# Altium PCB Ixora.PcbDoc (part 2 of 13)
Units mm, origin at the board's own origin, x right, y up, seen from the top; angles counter-clockwise.
Board outline 125 x 90 mm, 6 copper layers (Top Layer, GND, Mid-Layer 1, Mid-Layer 2, POWER, Bottom Layer), stack 1.561 mm thick; 454 components, 512 nets, 2071 pads, 863 vias.
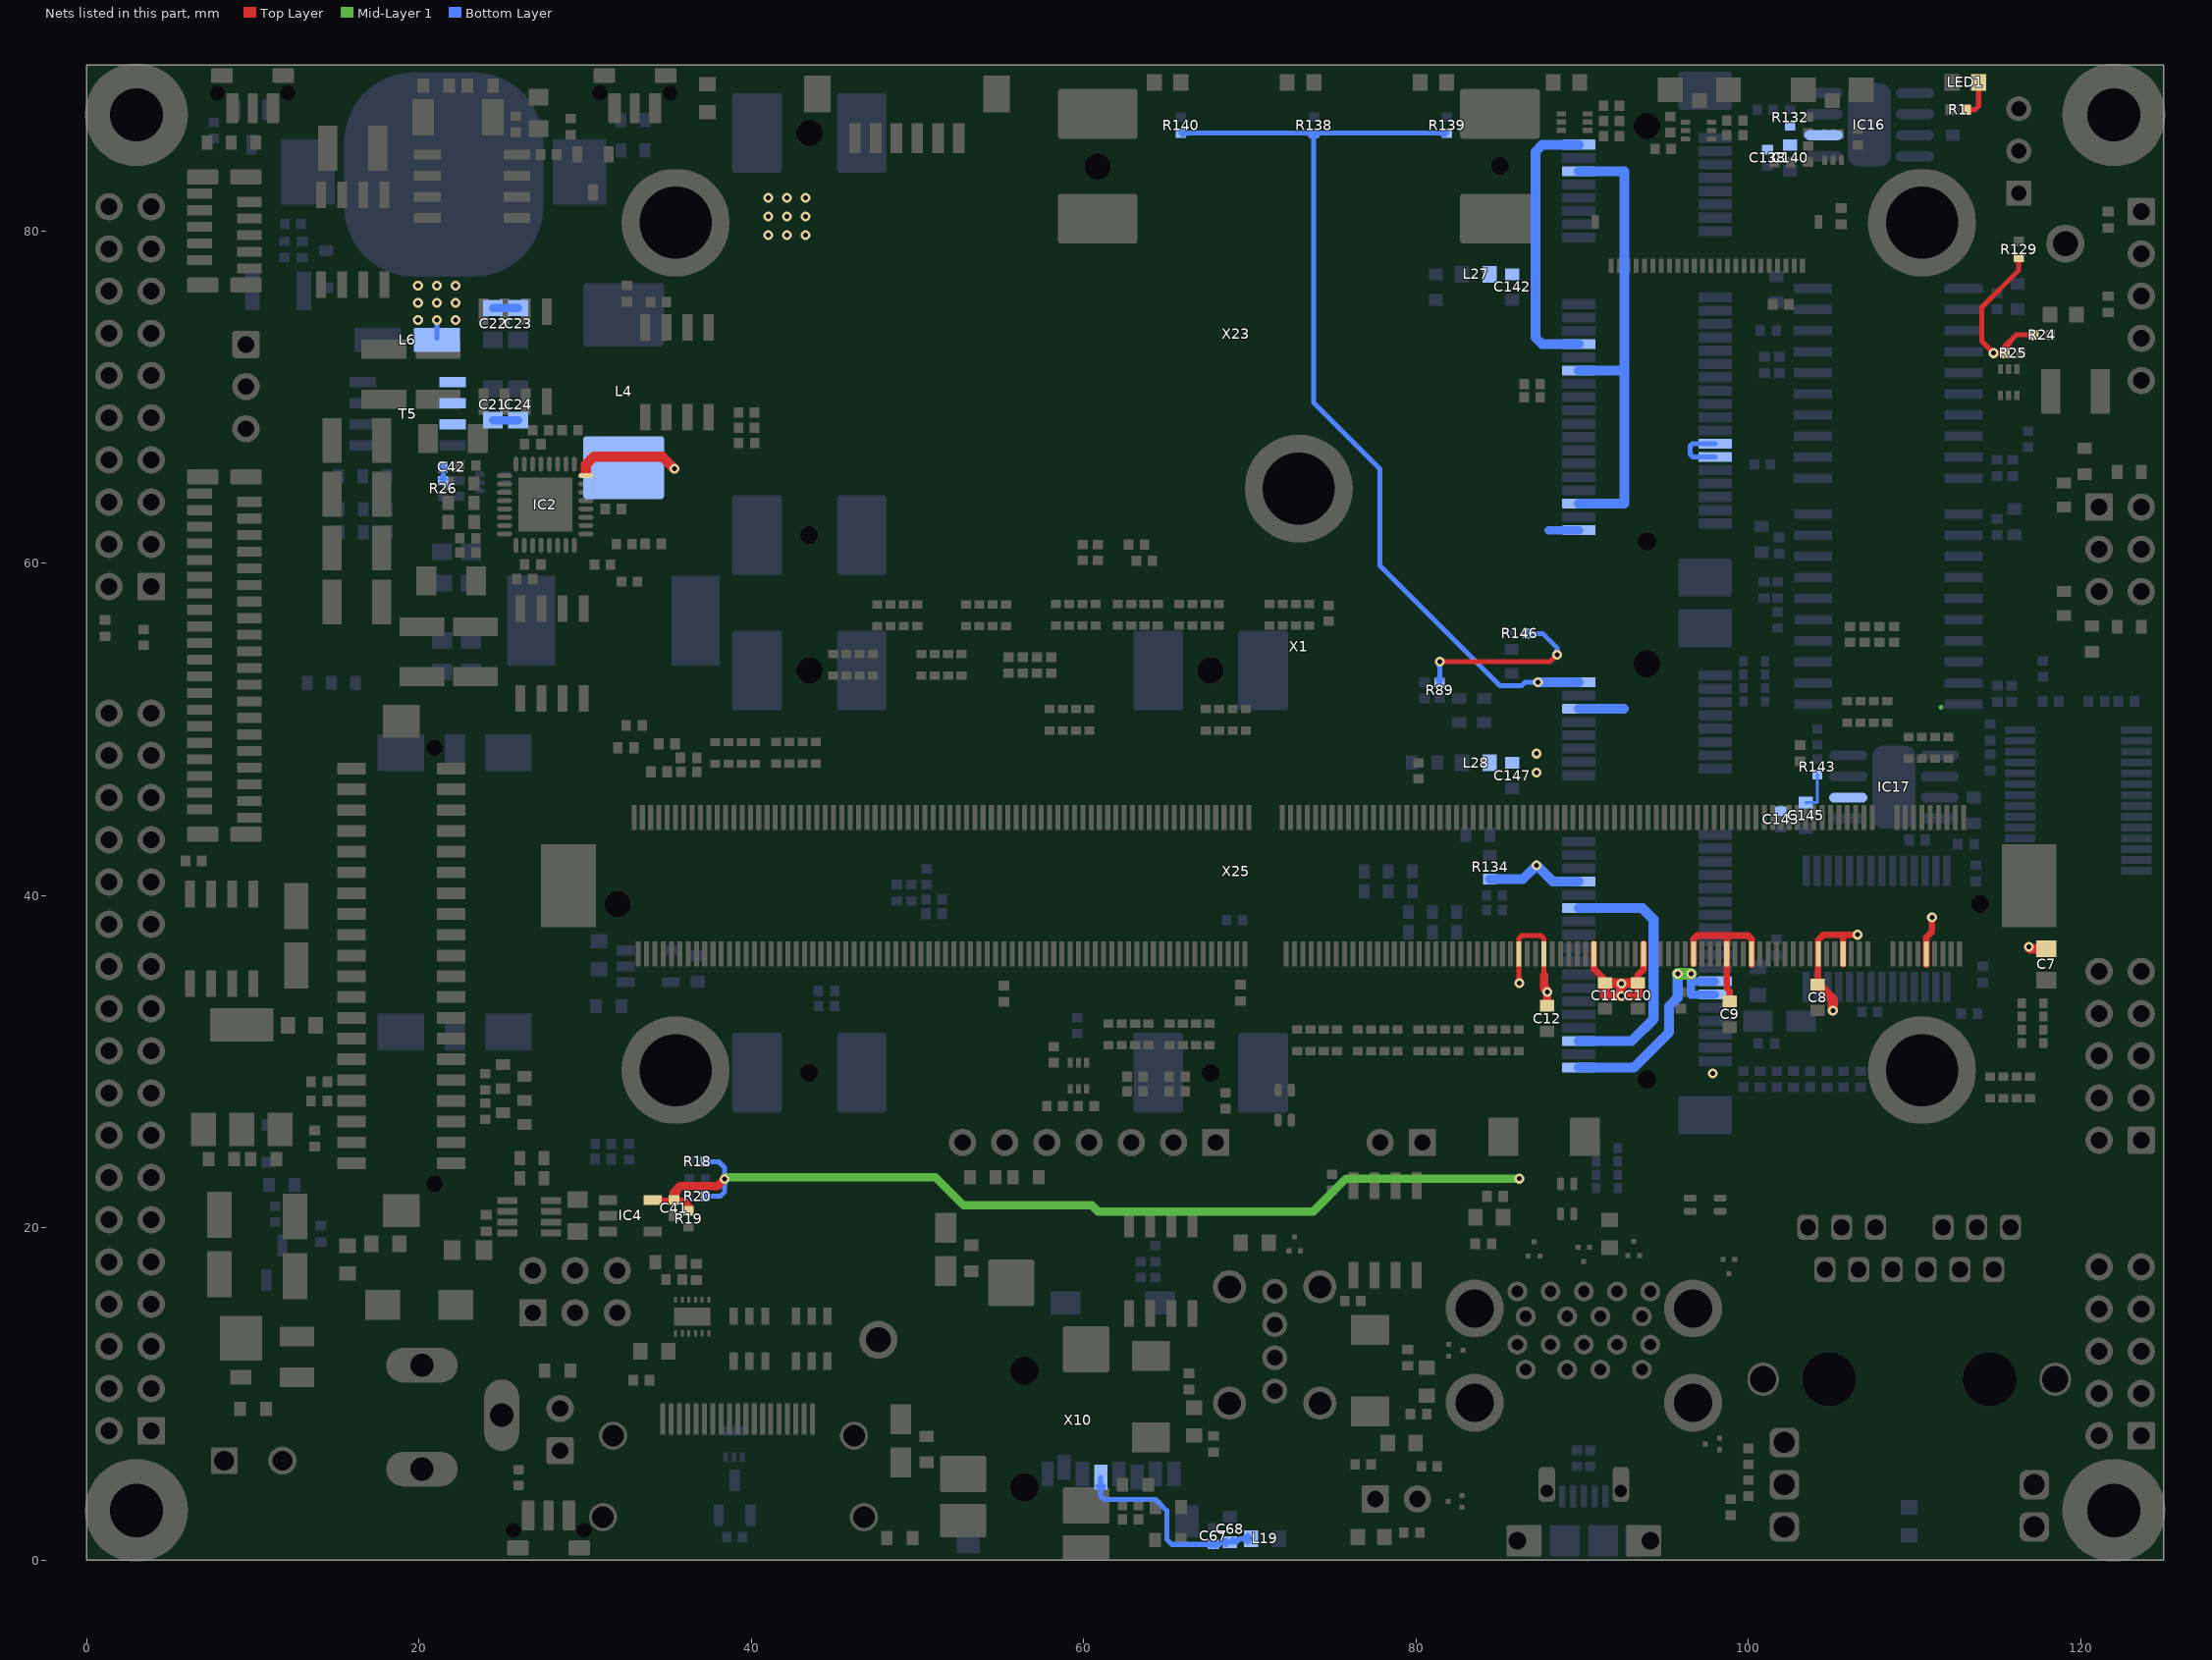
[diagram p6: the nets of this part, all layers, seen from the top]

## Footprints (in the part's own frame and the unit in brackets; to place one, negate y for a bottom-side part, rotate by r counter-clockwise, add the part's x,y. Pads: shape width x height; smd on the part's side, far side on the other; paste and mask are expansions set on the pad) (continued)
T_Hirose_FH12-10S-0.5SVA(54) [mm] "FFC Connector 0.5mm pitch Vertical, 10 pin"
  rrect12% 0.6x1.5 smd: 1(-2.25,-1.5) 2(-1.75,1.5) 3(-1.25,-1.5) 4(-0.75,1.5) 5(-0.25,-1.5) 6(0.25,1.5) 7(0.75,-1.5) 8(1.25,1.5) 9(1.75,-1.5) 10(2.25,1.5)
  rrect25% 0.9x1.9 smd: ""(-3.25,-1.3) ""(-3.25,1.3) ""(3.25,-1.3) ""(3.25,1.3)
  silkscreen extent -4.31,-3.86 4.31,2.46, body extent -4.2,-1.93 4.2,1.87, height 4.85
T_Hirose_FH12-40S-0.5SV(55) [mm] "FFC Connector 0.5mm pitch Vertical"
  rrect12% 0.6x1.5 smd: 1(-9.75,-1.5) 2(-9.25,1.5) 3(-8.75,-1.5) 4(-8.25,1.5) 5(-7.75,-1.5) 6(-7.25,1.5) 7(-6.75,-1.5) 8(-6.25,1.5) 9(-5.75,-1.5) 10(-5.25,1.5) 11(-4.75,-1.5) 12(-4.25,1.5) 13(-3.75,-1.5) 14(-3.25,1.5) 15(-2.75,-1.5) 16(-2.25,1.5) 17(-1.75,-1.5) 18(-1.25,1.5) 19(-0.75,-1.5) 20(-0.25,1.5) 21(0.25,-1.5) 22(0.75,1.5) 23(1.25,-1.5) 24(1.75,1.5) 25(2.25,-1.5) 26(2.75,1.5) 27(3.25,-1.5) 28(3.75,1.5) 29(4.25,-1.5) 30(4.75,1.5) 31(5.25,-1.5) 32(5.75,1.5) 33(6.25,-1.5) 34(6.75,1.5) 35(7.25,-1.5) 36(7.75,1.5) 37(8.25,-1.5) 38(8.75,1.5) 39(9.25,-1.5) 40(9.75,1.5)
  rrect25% 0.9x1.9 smd: ""(-10.75,-1.3) ""(-10.75,1.3) ""(10.75,-1.3) ""(10.75,1.3)
  silkscreen extent -11.81,-3.95 11.81,2.46, body extent -11.7,-1.92 11.7,1.88, height 5.52
T_INDM110100 [mm] "Inductor shielded, 11mm x 10mm (Bourns, SRP1038A; Vishay, IHLP4040DZ-8A)"
  rrect10% 4.86x3.8 smd: 1(0,-4.6) 2(0,4.6)
  silkscreen extent -5.52,-5.52 5.52,5.52, body extent -5,-5.2 5,5.2, height 3.75
T_INDM120120X80N [mm]
  rect 5.4x2.9 smd: 1(0,-4.95) 2(0,4.95)
  silkscreen extent -6.2,-6.2 6.2,6.2, body extent -6,-6 6,6, height 6
T_JAE_MM70-314-310B1 [mm] "MXM 3.0 Connector"
  rect 0.3x1.5 smd: 1(-40,-4.1) 2(-39.75,4.1) 3(-39.5,-4.1) 4(-39.25,4.1) 5(-39,-4.1) 6(-38.75,4.1) 7(-38.5,-4.1) 8(-38.25,4.1) 9(-38,-4.1) 10(-37.75,4.1) 11(-37.5,-4.1) 12(-37.25,4.1) 13(-37,-4.1) 14(-36.75,4.1) 15(-36.5,-4.1) 16(-36.25,4.1) 17(-36,-4.1) 18(-35.75,4.1) 23(-34.5,-4.1) 24(-34.25,4.1) 25(-34,-4.1) 26(-33.75,4.1) 27(-33.5,-4.1) 28(-33.25,4.1) 29(-33,-4.1) 30(-32.75,4.1) 31(-32.5,-4.1) 32(-32.25,4.1) 33(-32,-4.1) 34(-31.75,4.1) 35(-31.5,-4.1) 36(-31.25,4.1) 37(-31,-4.1) 38(-30.75,4.1) 39(-30.5,-4.1) 40(-30.25,4.1) 41(-30,-4.1) 42(-29.75,4.1) 43(-29.5,-4.1) 44(-29.25,4.1) 45(-29,-4.1) 46(-28.75,4.1) 47(-28.5,-4.1) 48(-28.25,4.1) 49(-28,-4.1) 50(-27.75,4.1) 51(-27.5,-4.1) 52(-27.25,4.1) 53(-27,-4.1) 54(-26.75,4.1) 55(-26.5,-4.1) 56(-26.25,4.1) 57(-26,-4.1) 58(-25.75,4.1) 59(-25.5,-4.1) 60(-25.25,4.1) 61(-25,-4.1) 62(-24.75,4.1) 63(-24.5,-4.1) 64(-24.25,4.1) 65(-24,-4.1) 66(-23.75,4.1) 67(-23.5,-4.1) 68(-23.25,4.1) 69(-23,-4.1) 70(-22.75,4.1) 71(-22.5,-4.1) 72(-22.25,4.1) 73(-22,-4.1) 74(-21.75,4.1) 75(-21.5,-4.1) 76(-21.25,4.1) 77(-21,-4.1) 78(-20.75,4.1) 79(-20.5,-4.1) 80(-20.25,4.1) 81(-20,-4.1) 82(-19.75,4.1) 83(-19.5,-4.1) 84(-19.25,4.1) 85(-19,-4.1) 86(-18.75,4.1) 87(-18.5,-4.1) 88(-18.25,4.1) 89(-18,-4.1) 90(-17.75,4.1) 91(-17.5,-4.1) 92(-17.25,4.1) 93(-17,-4.1) 94(-16.75,4.1) 95(-16.5,-4.1) 96(-16.25,4.1) 97(-16,-4.1) 98(-15.75,4.1) 99(-15.5,-4.1) 100(-15.25,4.1) 101(-15,-4.1) 102(-14.75,4.1) 103(-14.5,-4.1) 104(-14.25,4.1) 105(-14,-4.1) 106(-13.75,4.1) 107(-13.5,-4.1) 108(-13.25,4.1) 109(-13,-4.1) 110(-12.75,4.1) 111(-12.5,-4.1) 112(-12.25,4.1) 113(-12,-4.1) 114(-11.75,4.1) 115(-11.5,-4.1) 116(-11.25,4.1) 117(-11,-4.1) 118(-10.75,4.1) 119(-10.5,-4.1) 120(-10.25,4.1) 121(-10,-4.1) 122(-9.75,4.1) 123(-9.5,-4.1) 124(-9.25,4.1) 125(-9,-4.1) 126(-8.75,4.1) 127(-8.5,-4.1) 128(-8.25,4.1) 129(-8,-4.1) 130(-7.75,4.1) 131(-7.5,-4.1) 132(-7.25,4.1) 133(-7,-4.1) 134(-6.75,4.1) 135(-6.5,-4.1) 136(-6.25,4.1) 137(-6,-4.1) 138(-5.75,4.1) 139(-5.5,-4.1) 140(-5.25,4.1) 141(-5,-4.1) 142(-4.75,4.1) 143(-4.5,-4.1) 144(-4.25,4.1) 145(-4,-4.1) 146(-3.75,4.1) 147(-3.5,-4.1) 148(-3.25,4.1) 149(-3,-4.1) 150(-2.75,4.1) 151(-2.5,-4.1) 152(-2.25,4.1) 153(-2,-4.1) 154(-1.75,4.1) 155(-1.5,-4.1) 156(-1.25,4.1) 157(-1,-4.1) 158(-0.75,4.1) 159(-0.5,-4.1) 160(-0.25,4.1) 161(0,-4.1) 162(0.25,4.1) 163(0.5,-4.1) 164(0.75,4.1) 165(1,-4.1) 173(3,-4.1) 174(3.25,4.1) 175(3.5,-4.1) 176(3.75,4.1) 177(4,-4.1) 178(4.25,4.1) 179(4.5,-4.1) 180(4.75,4.1) 181(5,-4.1) 182(5.25,4.1) 183(5.5,-4.1) 184(5.75,4.1) 185(6,-4.1) 186(6.25,4.1) 187(6.5,-4.1) 188(6.75,4.1) 189(7,-4.1) 190(7.25,4.1) 191(7.5,-4.1) 192(7.75,4.1) 193(8,-4.1) 194(8.25,4.1) 195(8.5,-4.1) 196(8.75,4.1) 197(9,-4.1) 198(9.25,4.1) 199(9.5,-4.1) 200(9.75,4.1) 201(10,-4.1) 202(10.25,4.1) 203(10.5,-4.1) 204(10.75,4.1) 205(11,-4.1) 206(11.25,4.1) 207(11.5,-4.1) 208(11.75,4.1) 209(12,-4.1) 210(12.25,4.1) 211(12.5,-4.1) 212(12.75,4.1) 213(13,-4.1) 214(13.25,4.1) 215(13.5,-4.1) 216(13.75,4.1) 217(14,-4.1) 218(14.25,4.1) 219(14.5,-4.1) 220(14.75,4.1) 221(15,-4.1) 222(15.25,4.1) 223(15.5,-4.1) 224(15.75,4.1) 225(16,-4.1) 226(16.25,4.1) 227(16.5,-4.1) 228(16.75,4.1) 229(17,-4.1) 230(17.25,4.1) 231(17.5,-4.1) 232(17.75,4.1) 233(18,-4.1) 234(18.25,4.1) 235(18.5,-4.1) 236(18.75,4.1) 237(19,-4.1) 238(19.25,4.1) 239(19.5,-4.1) 240(19.75,4.1) 241(20,-4.1) 242(20.25,4.1) 243(20.5,-4.1) 244(20.75,4.1) 245(21,-4.1) 246(21.25,4.1) 247(21.5,-4.1) 248(21.75,4.1) 249(22,-4.1) 250(22.25,4.1) 251(22.5,-4.1) 252(22.75,4.1) 253(23,-4.1) 254(23.25,4.1) 255(23.5,-4.1) 256(23.75,4.1) 257(24,-4.1) 258(24.25,4.1) 259(24.5,-4.1) 260(24.75,4.1) 261(25,-4.1) 262(25.25,4.1) 263(25.5,-4.1) 264(25.75,4.1) 265(26,-4.1) 266(26.25,4.1) 267(26.5,-4.1) 268(26.75,4.1) 269(27,-4.1) 270(27.25,4.1) 271(27.5,-4.1) 272(27.75,4.1) 273(28,-4.1) 274(28.25,4.1) 275(28.5,-4.1) 276(28.75,4.1) 277(29,-4.1) 278(29.25,4.1) 279(29.5,-4.1) 280(29.75,4.1) 281(30,-4.1) 282(30.25,4.1) 283(30.5,-4.1) 284(30.75,4.1) 285(31,-4.1) 286(31.25,4.1) 287(31.5,-4.1) 288(31.75,4.1) 289(32,-4.1) 290(32.25,4.1) 291(32.5,-4.1) 292(32.75,4.1) 293(33,-4.1) 294(33.25,4.1) 295(33.5,-4.1) 296(33.75,4.1) 297(34,-4.1) 298(34.25,4.1) 299(34.5,-4.1) 300(34.75,4.1) 301(35,-4.1) 302(35.25,4.1) 303(35.5,-4.1) 304(35.75,4.1) 305(36,-4.1) 306(36.25,4.1) 307(36.5,-4.1) 308(36.75,4.1) 309(37,-4.1) 310(37.25,4.1) 311(37.5,-4.1) 312(37.75,4.1) 313(38,-4.1) 314(38.25,4.1) 315(38.5,-4.1) 316(38.75,4.1) 317(39,-4.1) 318(39.25,4.1) 319(39.5,-4.1) 320(39.75,4.1) 321(40,-4.1)
  rect 3.3x5 smd: BE1(-43.95,0) BE2(43.95,0)
  round 1.1 hole 1.1 unplated: ""(-41,1.1)
  round 6.5 hole 4.33: ""(-37.5,11.1) ""(-37.5,-39.9) ""(0,-23.9) ""(37.5,-39.9) ""(37.5,11.1)
  round 1.6 hole 1.6 unplated: ""(41,1.1)
  silkscreen extent -46.07,-7.65 46.07,5.17, body extent -44.95,-42.67 44.95,13.87, height 8.02
T_KEYSTONE_3000 [mm] "Battery Holder, 12mm (Dia)"
  rect 3.2x3.9 smd: 1(-8.17,0) 1(8.17,0)
  rrect70% 12x12.3 smd paste-11: 2(0,-0.15)
  silkscreen extent -6.63,-6.88 6.63,6.3, body extent -9.47,-6.92 9.47,5.14, height 3.16
T_KINGBRIGHT_APA1606CGCK [mm] "LED Kingbright APA1606CGCK Green"
  rect 0.9x1 smd: 1(-0.8,0) 2(0.8,0)
  silkscreen extent -1.81,-0.17 -1.57,0.07, body extent -0.9,-0.15 0.9,1.05, height 0.6
T_Laird_35F0121-0SR-10 [mm] "Power supply FB 10A"
  rect 2.77x1.47 smd: 1(-1.79,0) 2(1.79,0)
  silkscreen extent -2.73,-1.6 2.73,1.6, body extent -2.54,-1.53 2.54,1.53, height 3.05
T_LINEAR_LTC2954CTS8-2#PBF [mm]
  rect 0.4x1.22 smd: 1(-0.975,-1.31) 2(-0.325,-1.31) 3(0.325,-1.31) 4(0.975,-1.31) 5(0.975,1.31) 6(0.325,1.31) 7(-0.325,1.31) 8(-0.975,1.31)
  silkscreen extent -1.58,-1.44 1.56,0.48, body extent -1.45,-0.87 1.45,0.87, height 1
T_LITEON_LTST-S326KGJRKT [mm] "LED LiteON LTST-S326KGJRKT Red Green"
  rect 1.5x1.5 smd: A(1.75,0) C1(-1.75,0)
  rect 0.9x0.9 smd: C2(0,-0.65)
  silkscreen extent -2.94,-0.25 -2.7,-0.01, body extent -1.5,-0.5 1.5,1.5, height 1
T_Littelfuse_0458 [mm] "Fast Fuse"
  rect 1.185x2.05 smd: 1(-1.233,0) 2(1.233,0)
  silkscreen extent -0.4,-0.82 0.4,0.82, body extent -1.59,-0.79 1.59,0.79, height 1.58
T_LITTLEFUSE_SMAJ30CA [mm] "Bidirectional ESD protection"
  rect 2.1x1.8 smd: 1(-2.2,0) 2(2.2,0)
  silkscreen extent -3.77,-1.35 2.55,1.35, body extent -2.25,-1.4 2.25,1.4, height 2.29
T_MC_CC4V-T1A [mm]
  rect 1.3x2.2 smd: 1(-2.1,0) 2(2.1,0)
  silkscreen extent -1.04,-1.02 1.04,1.02, body extent -2.5,-0.95 2.5,0.95, height 2.29
T_MOLEX_22-11-2032 [mm] "Connector; Header; 3 Position with Friction Lock"
  rrect20% 1.65x1.65 hole 1: 1(0,0)
  round 1.65 hole 1: 2(2.54,0) 3(5.08,0)
  silkscreen extent -1.94,-3.25 6.5,3.4, body extent -1.27,-3.1 6.35,3.25, height 10.68
T_MOLEX_47023-0001 [mm] "6 Contacts Mini Sim Card Holder"
  rect 2.2x2.8 smd: 1(-8.4,-3.24) 3(-8.4,3.24) 5(8.4,-3.24) 7(8.4,3.24)
  rect 2.2x1.2 smd: 2(-8.4,0) 6(8.4,0)
  silkscreen extent -9.8,-7.74 16.37,10.45, body extent -9.4,-7.49 16.11,10.21, height 1.97
T_MOLEX_47589-0001 [mm] "Micro USB Connector"
  rrect12% 1.35x0.4 smd: 1(2.675,1.3) 2(2.675,0.65) 3(2.675,0) 4(2.675,-0.65) 5(2.675,-1.3)
  rrect12% 1.9x1 smd: S1(0,3.013) S2(0,-3.013)
  rrect12% 1.9x2.1 hole 1.07 slot 1.55 at 0 deg copper offset 0,-0.4: S1(0,4)
  rrect12% 1.9x2.1 hole 1.07 slot 1.55 at 0 deg copper offset 0,0.4: S2(0,-4)
  rrect12% 1.9x1.8 smd: S3(0,1.15) S4(0,-1.15)
  rrect50% 2.1x1 hole 0.75 slot 0.85 at 0 deg copper offset 0.4,0: ""(3,-2.225) ""(3,2.225)
  silkscreen extent -1.45,-3.91 3.01,3.91, body extent -2.75,-4.32 3.15,4.33, height 2.79
T_MOLEX_48099-5701 [mm] "Mini PCI-E Latch"
  rrect12% 4.8x3 smd: ""(-12.1,-3.15) ""(-12.1,3.15) ""(12.1,-3.15) ""(12.1,3.15)
  round 1.6 hole 1.6 unplated: ""(-12.1,0)
  round 1.1 hole 1.1 unplated: ""(12.1,0)
  silkscreen extent -14.85,-5 14.85,5, body extent -14.22,-4.31 14.23,4.6, height 6.56
T_MOLEX_67910-5700 [mm] "Molex PCIe mini card connector with clip"
  rrect12% 0.6x2 smd: 1(0.7,-4.1) 2(1.1,4.1) 3(1.5,-4.1) 4(1.9,4.1) 5(2.3,-4.1) 6(2.7,4.1) 7(3.1,-4.1) 8(3.5,4.1) 9(3.9,-4.1) 10(4.3,4.1) 11(4.7,-4.1) 12(5.1,4.1) 13(5.5,-4.1) 14(5.9,4.1) 15(6.3,-4.1) 16(6.7,4.1) 17(10.3,-4.1) 18(10.7,4.1) 19(11.1,-4.1) 20(11.5,4.1) 21(11.9,-4.1) 22(12.3,4.1) 23(12.7,-4.1) 24(13.1,4.1) 25(13.5,-4.1) 26(13.9,4.1) 27(14.3,-4.1) 28(14.7,4.1) 29(15.1,-4.1) 30(15.5,4.1) 31(15.9,-4.1) 32(16.3,4.1) 33(16.7,-4.1) 34(17.1,4.1) 35(17.5,-4.1) 36(17.9,4.1) 37(18.3,-4.1) 38(18.7,4.1) 39(19.1,-4.1) 40(19.5,4.1) 41(19.9,-4.1) 42(20.3,4.1) 43(20.7,-4.1) 44(21.1,4.1) 45(21.5,-4.1) 46(21.9,4.1) 47(22.3,-4.1) 48(22.7,4.1) 49(23.1,-4.1) 50(23.5,4.1) 51(23.9,-4.1) 52(24.3,4.1)
  rrect12% 2.3x3.2 smd: x(-2.15,-3.5) x(27.15,-3.5)
  round 1.6 hole 1.6 unplated: x(0,0) x(0.4,50.4)
  round 1.1 hole 1.1 unplated: x(24.6,50.4) x(25,0)
  rrect12% 4.8x3 smd: ""(0.4,47.25) ""(0.4,53.55) ""(24.6,47.25) ""(24.6,53.55)
  silkscreen extent -2.5,-1.5 27.5,55.72, body extent -2.5,-5.1 27.5,55, height 6.56
T_Murata_DLW21SN900SQ2 [mm] "Common Mode Choke"
  rrect50% 0.75x0.42 smd: 1(-0.9,0.4) 2(-0.9,-0.4) 3(0.9,-0.4) 4(0.9,0.4)
  silkscreen extent -0.34,-0.55 0.34,0.55, body extent -1,-0.6 1,0.6, height 1.2
T_NXP_IP4791CZ12 [mm] "HDMI ESD protection, level shifter and backdrive protection- SOT1156-1"
  rect 0.18x0.375 smd: 1(-1,-1.012) 2(-0.6,-1.012) 3(-0.2,-1.012) 4(0.2,-1.012) 5(0.6,-1.012) 6(1,-1.012) 7(1,1.012) 8(0.6,1.012) 9(0.2,1.012) 10(-0.2,1.012) 11(-0.6,1.012) 12(-1,1.012)
  rect 2.2x1.1 smd paste-2: 13(0,0)
  silkscreen extent -1.07,-1.66 -0.88,-1.46, body extent -1.3,-1.1 1.3,1.1, height 0.5
T_ON_NCV4264-2ST50T3G [mm] "SO4"
  rect 2x1.5 smd: 1(-3.15,2.3) 2(-3.15,0) 3(-3.15,-2.3)
  rect 2x3.8 smd: 4(3.15,0)
  silkscreen extent -3.3,-3.43 1.8,3.6, body extent -1.85,-3.35 1.85,3.35, height 1.75
T_RAPC722X [mm] "Connector, 2.1mm (Dia), 5.5mm(Dia), Round Power Socket"
  oval 4.3x2.1 hole 1.4 slot 3.5 at 0 deg: 1(0,13.74) 2(0,7.49)
  oval 2.1x4.3 hole 1.4 slot 3.5 at 90 deg: 3(4.8,10.74)
  silkscreen extent -4.7,0 6.4,15.39, body extent -4.5,0 4.7,14.4, height 10.7
T_RESC0603X30N [mm]
  rect 0.65x0.85 smd: 1(-0.725,0) 2(0.725,0)
  body extent -0.8,-0.4 0.8,0.4, height 0.5
T_RESC3225X30N [mm]
  rect 0.9x2.3 smd: 1(-1.55,0) 2(1.55,0)
  silkscreen extent -0.55,-1.33 0.55,1.33, body extent -1.6,-1.25 1.6,1.25, height 0.7
T_Resistor_Array_X4 [mm] "Resistor Array 0.8mm"
  rect 0.5x0.6 smd: 1(0,0) 2(0,-0.8) 3(0,-1.6) 4(0,-2.4) 5(1.3,0) 6(1.3,-0.8) 7(1.3,-1.6) 8(1.3,-2.4)
  silkscreen extent -0.47,-2.92 1.77,0.52, body extent -0.47,-2.92 1.77,0.52, height 0.55
T_Samtec_SSW-103-01-G-D [mm] "Receptacle Female Socket  2x3 Pins, 2.54 mm pitch"
  rrect10% 1.65x1.65 hole 1: 1(0,0)
  round 1.65 hole 1: 2(0,2.54) 3(2.54,0) 4(2.54,2.54) 5(5.08,0) 6(5.08,2.54)
  silkscreen extent -1.65,-1.92 6.73,3.87, body extent -1.52,-1.21 6.6,3.75, height 8.52
T_Samtec_TSW-101-07-G-D#1 [mm] "Header, 1x2 Pins, 2.54 mm pitch, male"
  rrect20% 1.65x1.65 hole 1: 1(0,0)
  round 1.65 hole 1: 2(0,2.54)
  silkscreen extent -1.4,-1.39 1.39,3.93, body extent -1.27,-1.27 1.27,3.81, height 8.4
T_Samtec_TSW-101-07-G-D#2 [mm] "Header, 1x2 Pins, 2.54 mm pitch, male"
  rrect10% 1.65x1.65 hole 1: 1(0,0)
  round 1.65 hole 1: 2(0,2.54)
  silkscreen extent -1.39,-1.4 1.4,3.94, body extent -1.27,-1.27 1.27,3.81, height 8.4
T_Samtec_TSW-103-07-G-D [mm] "Header, 2x3 Pins, 2.54 mm pitch, male"
  rrect10% 1.65x1.65 hole 1: 1(0,0)
  round 1.65 hole 1: 2(0,2.54) 3(2.54,0) 4(2.54,2.54) 5(5.08,0) 6(5.08,2.54)
  silkscreen extent -2.01,-1.39 6.47,3.94, body extent -1.27,-1.27 6.35,3.81, height 8.4
T_Samtec_TSW-105-07-G-D#1 [mm] "Header, 2x5 Pins, 2.54 mm pitch, male"
  rrect10% 1.65x1.65 hole 1: 1(0,0)
  round 1.65 hole 1: 2(0,2.54) 3(2.54,0) 4(2.54,2.54) 5(5.08,0) 6(5.08,2.54) 7(7.62,0) 8(7.62,2.54) 9(10.16,0) 10(10.16,2.54)
  silkscreen extent -1.94,-1.4 11.55,3.93, body extent -1.27,-1.27 11.43,3.81, height 8.4
T_Samtec_TSW-105-07-G-D#2 [mm] "Header, 2x5 Pins, 2.54 mm pitch, male"
  rrect20% 1.65x1.65 hole 1: 1(0,0)
  round 1.65 hole 1: 2(0,2.54) 3(2.54,0) 4(2.54,2.54) 5(5.08,0) 6(5.08,2.54) 7(7.62,0) 8(7.62,2.54) 9(10.16,0) 10(10.16,2.54)
  silkscreen extent -2.06,-1.4 11.55,3.93, body extent -1.27,-1.27 11.43,3.81, height 8.4
T_Samtec_TSW-110-07-G-D-Header [mm] "Header, 2x10 Pins, 2.54 mm pitch"
  rrect10% 1.65x1.65 hole 1: 1(0,0)
  round 1.65 hole 1: 2(0,2.54) 3(2.54,0) 4(2.54,2.54) 5(5.08,0) 6(5.08,2.54) 7(7.62,0) 8(7.62,2.54) 9(10.16,0) 10(10.16,2.54) 11(12.7,0) 12(12.7,2.54) 13(15.24,0) 14(15.24,2.54) 15(17.78,0) 16(17.78,2.54) 17(20.32,0) 18(20.32,2.54) 19(22.86,0) 20(22.86,2.54)
  silkscreen extent -2,-1.39 24.26,3.94, body extent -1.27,-1.27 24.13,3.81, height 8.4
T_SAMTEC_TSW-118-07-G-D [mm] "Header, 2x18 Pins, 2.54 mm pitch"
  rrect10% 1.65x1.65 hole 1.016: 1(0,0)
  round 1.65 hole 1.016: 2(0,2.54)
  round 1.65 hole 1: 3(2.54,0) 4(2.54,2.54) 5(5.08,0) 6(5.08,2.54) 7(7.62,0) 8(7.62,2.54) 9(10.16,0) 10(10.16,2.54) 11(12.7,0) 12(12.7,2.54) 13(15.24,0) 14(15.24,2.54) 15(17.78,0) 16(17.78,2.54) 17(20.32,0) 18(20.32,2.54) 19(22.86,0) 20(22.86,2.54) 21(25.4,0) 22(25.4,2.54) 23(27.94,0) 24(27.94,2.54) 25(30.48,0) 26(30.48,2.54) 27(33.02,0) 28(33.02,2.54) 29(35.56,0) 30(35.56,2.54) 31(38.1,0) 32(38.1,2.54) 33(40.64,0) 34(40.64,2.54) 35(43.18,0) 36(43.18,2.54)
  silkscreen extent -1.39,-1.85 44.58,3.94, body extent -1.27,-1.27 44.45,3.81, height 8.4
T_samtech_TSW-107-07-G-S [mm] "Connector, Header, 7 Position, 2.54mm pitch"
  rrect10% 1.65x1.65 hole 1: 1(0,0)
  round 1.65 hole 1: 2(2.54,0) 3(5.08,0) 4(7.62,0) 5(10.16,0) 6(12.7,0) 7(15.24,0)
  silkscreen extent -2.06,-1.4 16.64,1.4
T_SOD-323 [mm] "SOD-323, SMD, 2 pins"
  rect 0.65x0.85 smd: 1(-1.115,0) 2(1.115,0)
  silkscreen extent -0.3,-0.5 0.33,0.5, body extent -1.25,-0.63 1.25,0.62, height 0.9
T_SOT95P285X90-6N [mm]
  rect 1.05x0.5 smd: 1(-1.35,0.95) 2(-1.35,0) 3(-1.35,-0.95) 4(1.35,-0.95) 5(1.35,0) 6(1.35,0.95)
  silkscreen extent -1.57,-1.5 0.5,1.7, body extent -0.87,-1.54 0.87,1.54, height 1.45
T_TI_TPD2EUSB30DRTR [mm] "2 CHANNEL PROTECTION SOLUTION FOR SUPER-SPEED"
  rect 0.3x0.3 smd: 1(-0.425,0.35) 2(-0.425,-0.35) 3(0.425,0)
  silkscreen extent -0.88,0.3 -0.78,0.4, body extent -0.43,-0.5 0.43,0.5, height 0.5
T_TORADEX_LOGO [mm] "Toradex Logo"
  Top Layer lines w0.15: 5.214,-0.499 cw(c4.702,-0.05) 5.383,-0.046 4.702,-0.046 4.083,-0.046 ; 4.087,-0.116 4.702,-0.116 5.45,-0.116 ccw(c4.702,-0.05) 5.304,-0.499 5.127,-0.499 cw(c4.702,-0.05) 5.317,0.017 4.702,0.017 4.087,0.017 ; -5.621,-0.319 cw(c-6.322,-0.05) -7.044,-0.26 ; -5.621,0.22 ccw(c-6.322,-0.05) -7.044,0.16 ; -5.636,-0.331 cw(c-5.738,-0.05) -5.636,0.232 ; -6.192,-0.533 ccw(c-6.322,-0.05) -6.067,-0.481 cw(c-5.738,-0.05) -6.087,-0.465 cw(c-6.436,-0.05) -6.484,-0.59 ; -6.192,0.434 cw(c-6.322,-0.05) -6.067,0.382 ccw(c-5.738,-0.05) -6.087,0.366 ccw(c-6.436,-0.05) -6.484,0.491 ; -6.764,-0.4 ccw(c-6.322,-0.05) -5.955,-0.477 cw(c-5.738,-0.05) -6.087,-0.379 cw(c-6.436,-0.05) -6.916,-0.05 cw(c-6.436,-0.05) -6.087,0.28 cw(c-5.738,-0.05) -5.955,0.378 ccw(c-6.322,-0.05) -6.764,0.301 ; -6.911,-0.118 ccw(c-7.104,-0.277) -7,-0.05 ; -6.911,0.019 cw(c-7.104,0.178) -7,-0.05 ; -7.115,-0.198 cw(c-7.136,-0.05) -7.286,-0.05 cw(c-7.136,-0.05) -7.115,0.099 ; -7.116,-0.05 -7,-0.05 ; -7.121,-0.153 cw(c-7.136,-0.05) -7.241,-0.05 ; -7.121,-0.153 cw(c-7.104,-0.277) -6.984,-0.242 ccw(c-6.322,-0.05) -5.732,-0.404 cw(c-5.738,-0.05) -6.087,-0.114 cw(c-6.436,-0.05) -6.087,0.015 cw(c-5.738,-0.05) -5.732,0.305 ccw(c-6.322,-0.05) -6.984,0.143 cw(c-7.104,0.178) -7.121,0.054 ccw(c-7.136,-0.05) -7.241,-0.05 ; -7.121,-0.153 cw(c-7.136,-0.05) -7.241,-0.05 ; 6.995,-0.75 6.403,0.006 6.919,0.664 6.749,0.664 6.314,0.1 5.879,0.664 5.716,0.664 6.23,0.006 5.623,-0.75 5.791,-0.75 6.314,-0.086 6.835,-0.75 6.995,-0.75 ; 6.866,-0.688 6.323,0.006 6.79,0.602 6.78,0.602 6.314,-0.002 5.849,0.602 5.844,0.602 6.309,0.005 5.753,-0.688 5.761,-0.688 6.315,0.015 6.865,-0.688 6.866,-0.688 ; 3.556,-0.05 cw(c2.804,-0.05) 2.053,-0.05 cw(c2.804,-0.05) 3.423,0.377 3.423,1.125 3.556,1.125 3.556,-0.05 ; 3.493,-0.05 cw(c2.804,-0.05) 2.116,-0.05 cw(c2.804,-0.05) 3.485,0.054 3.485,1.062 3.493,1.062 3.493,-0.05 ; 3.423,-0.05 cw(c2.804,-0.05) 2.186,-0.05 cw(c2.804,-0.05) 3.423,-0.05 ; 1.709,-0.75 1.709,-0.05 ccw(c0.958,-0.05) 0.207,-0.05 ccw(c0.958,-0.05) 1.576,-0.476 1.576,-0.75 1.709,-0.75 ; 1.647,-0.688 1.647,-0.05 ccw(c0.958,-0.05) 0.269,-0.05 ccw(c0.958,-0.05) 1.639,-0.153 1.639,-0.688 1.647,-0.688 ; 1.576,-0.05 cw(c0.958,-0.05) 0.339,-0.05 cw(c0.958,-0.05) 1.576,-0.05 ; 0.071,0.656 ccw(c0.958,-0.05) -0.009,0.542 ccw(c-0.188,-0.05) -0.806,-0.05 -0.806,-0.75 -0.939,-0.75 -0.939,-0.05 cw(c-0.188,-0.05) 0.071,0.656 ; -0.032,0.621 ccw(c0.958,-0.049) -0.037,0.614 ccw(c-0.188,-0.05) -0.869,-0.05 -0.869,-0.688 -0.877,-0.688 -0.877,-0.05 cw(c-0.188,-0.05) -0.032,0.621 ; -1.324,-0.05 ccw(c-2.076,-0.05) -2.827,-0.05 ccw(c-2.076,-0.05) -1.324,-0.05 ; -1.387,-0.05 ccw(c-2.076,-0.05) -2.764,-0.05 ccw(c-2.076,-0.05) -1.387,-0.05 ; -1.457,-0.05 ccw(c-2.076,-0.05) -2.694,-0.05 ccw(c-2.076,-0.05) -1.457,-0.05 ; -2.603,0.994 -2.603,1.125 -4.218,1.125 -4.322,0.994 -3.523,0.994 -3.523,-0.75 -3.372,-0.75 -3.372,0.994 -2.603,0.994 ; -2.665,1.057 -2.665,1.062 -4.188,1.062 -4.192,1.057 -3.46,1.057 -3.46,-0.688 -3.434,-0.688 -3.434,1.057 -2.665,1.057 ; -4.198,-0.05 ccw(c-4.348,-0.05) -4.498,-0.05 ccw(c-4.348,-0.05) -4.198,-0.05 ; -4.243,-0.05 ccw(c-4.348,-0.05) -4.453,-0.05 ccw(c-4.348,-0.05) -4.243,-0.05 ; -4.306,-0.05 ccw(c-4.348,-0.05) -4.39,-0.05 ccw(c-4.348,-0.05) -4.306,-0.05 ; -4.894,-0.05 ccw(c-5.044,-0.05) -5.194,-0.05 ccw(c-5.044,-0.05) -4.894,-0.05 ; -4.939,-0.05 ccw(c-5.044,-0.05) -5.149,-0.05 ccw(c-5.044,-0.05) -4.939,-0.05 ; -5.002,-0.05 ccw(c-5.044,-0.05) -5.086,-0.05 ccw(c-5.044,-0.05) -5.002,-0.05 ; -5.844,-0.453 cw(c-6.322,-0.05) -6.924,-0.225 ccw(c-7.104,-0.277) -7.13,-0.091 cw(c-7.136,-0.05) -7.178,-0.05 cw(c-7.136,-0.05) -7.13,-0.008 ccw(c-7.104,0.178) -6.924,0.126 cw(c-6.322,-0.05) -5.844,0.354 ccw(c-5.738,-0.05) -6.087,0.179 ccw(c-6.436,-0.05) -6.087,-0.278 ccw(c-5.738,-0.05) -5.844,-0.453 ; -6.136,-0.05 cw(c-6.436,-0.05) -6.736,-0.05 cw(c-6.436,-0.05) -6.136,-0.05